# KiCad board mainboard.kicad_pcb (continued)
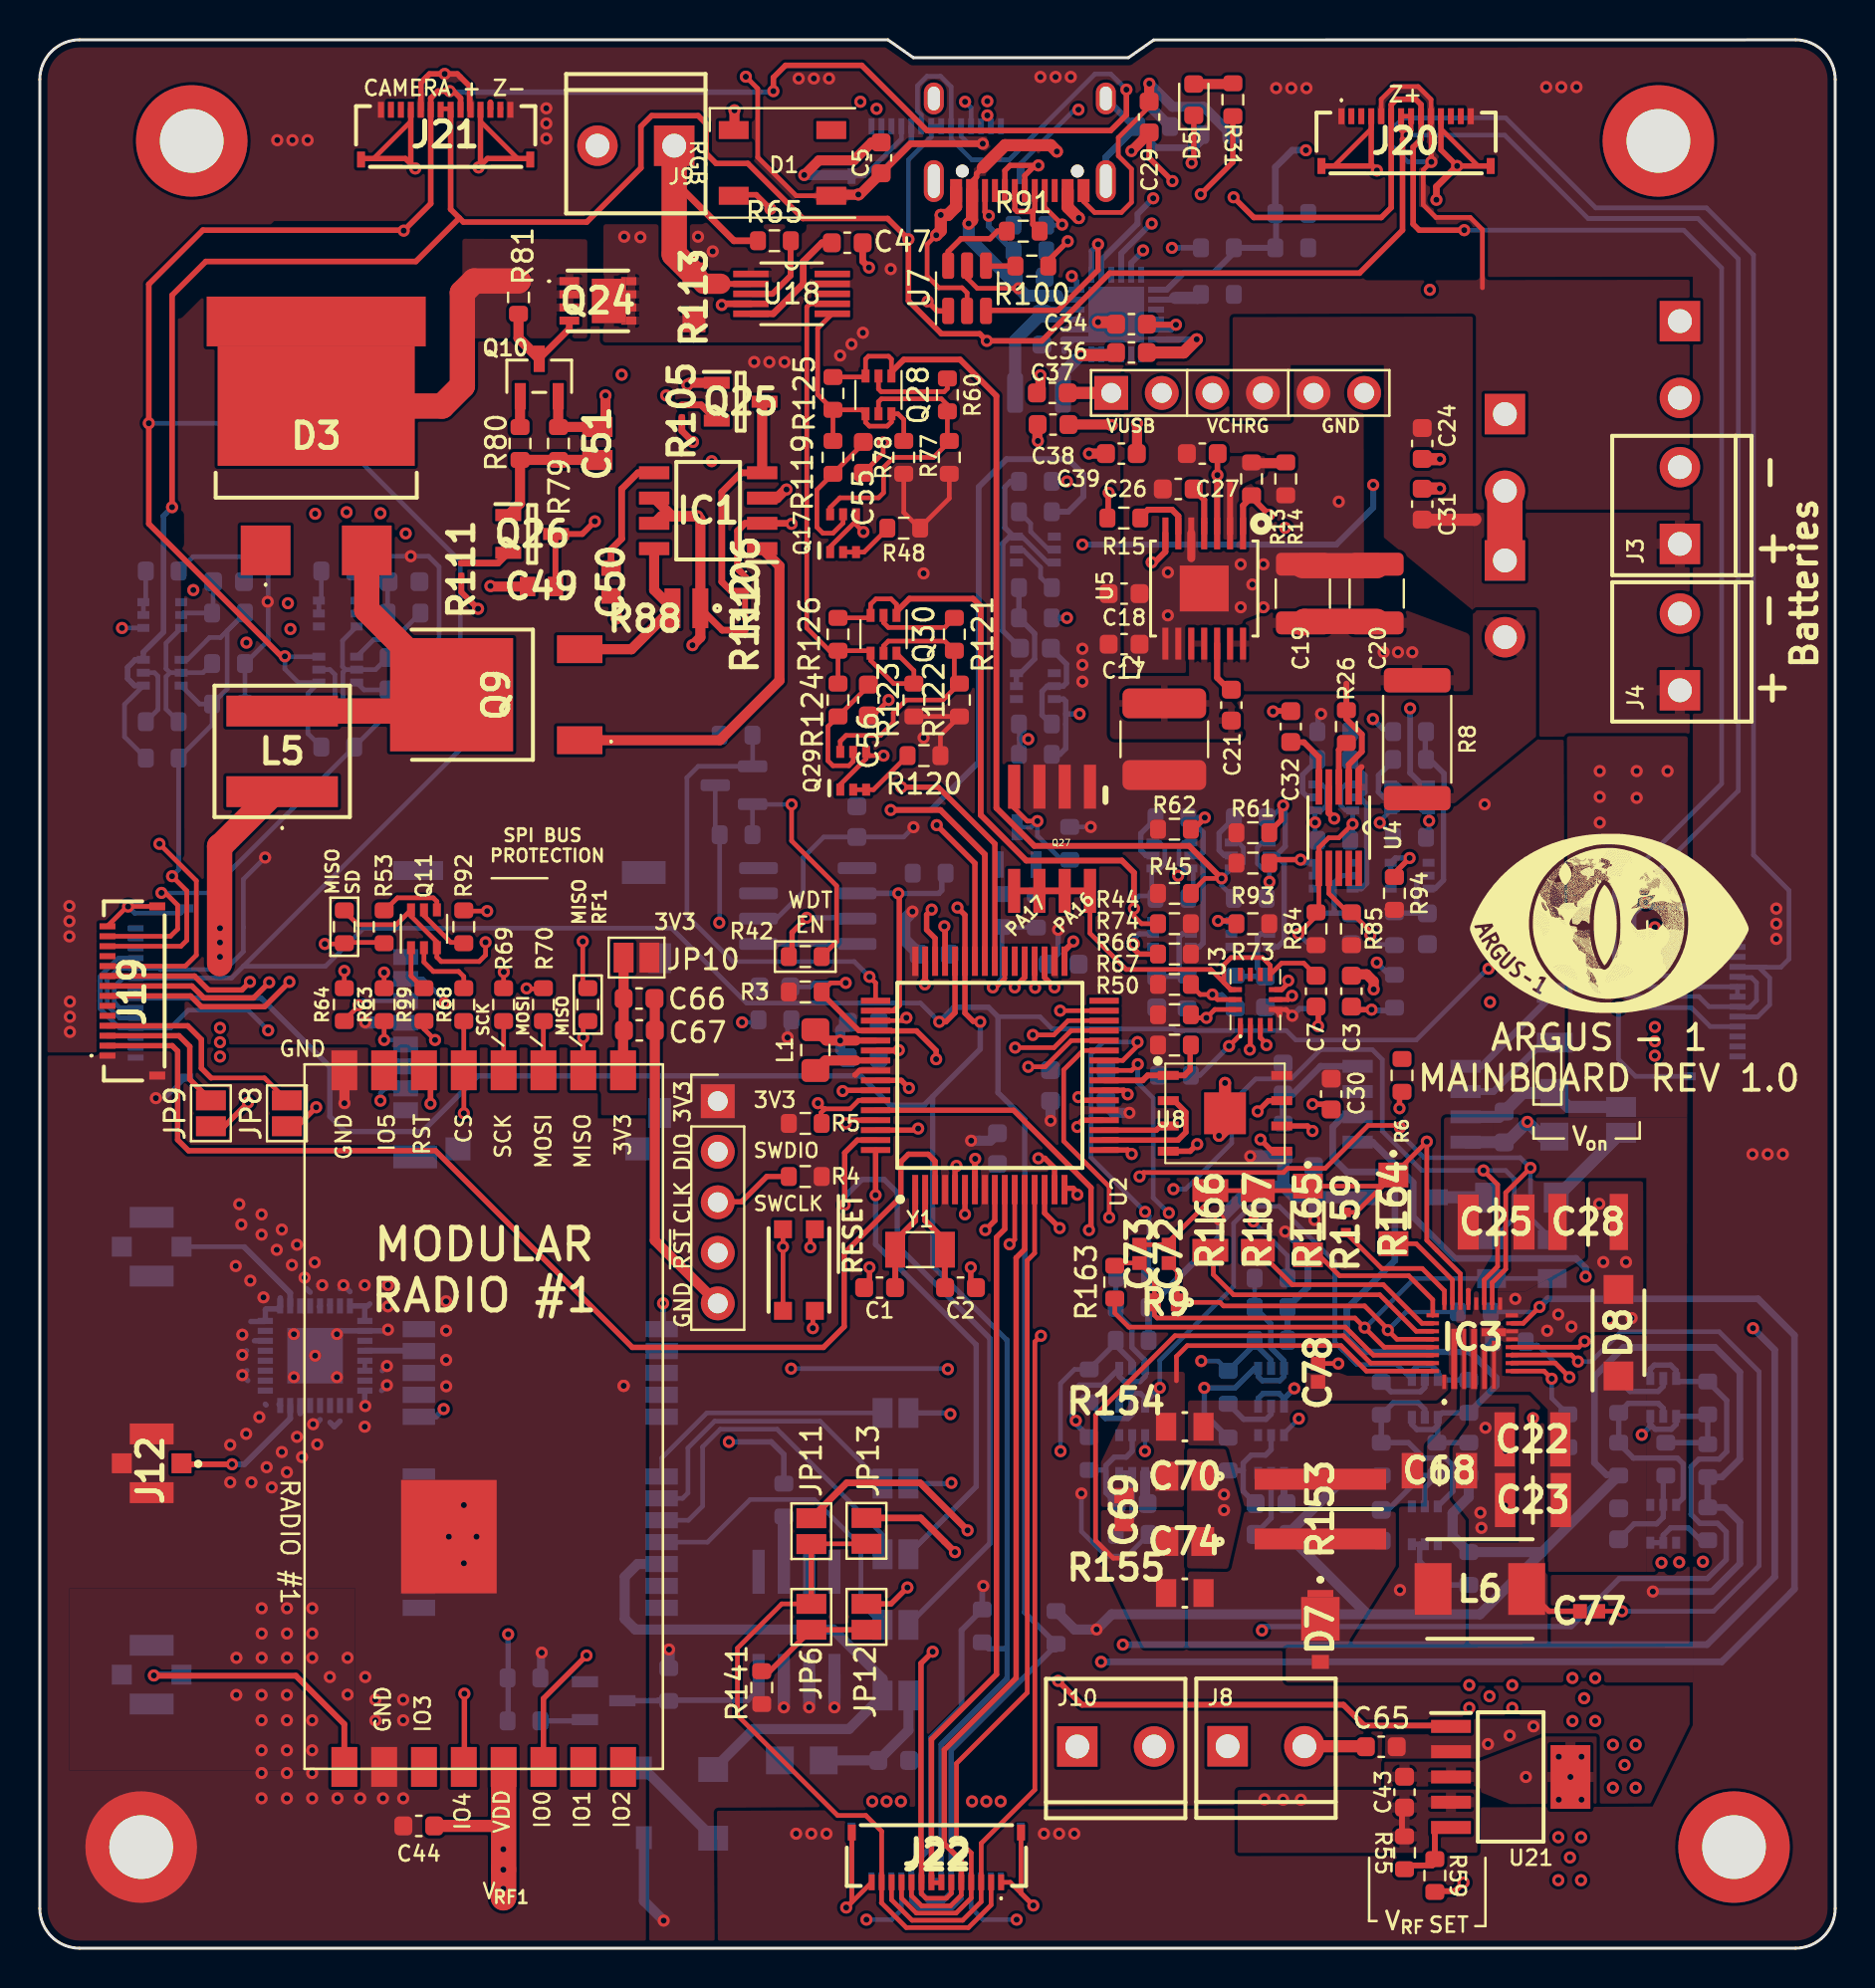
[diagram p0: board, top side]
## Routing (per net, layer and track width the routed paths; a pad name or vN(x,y) marks a point on that pad's centre or on a via; arc(x,y) is an arc through that point) (continued)
  Top w0.272: v1(43.57,18.12) 42.75,17.3 41.49,17.3 ; v1(51.22,36.18) 50.46,36.94 U2.14
  Route15 w0.235: v1(6.01,55.49) 5.43,54.91 5.43,46.11 11.19,40.35 13.17,40.35 14.39,39.13 17.67,39.13 27.67,29.12 v1(37.73,29.12) ; 45.69,29.11 45.68,29.1 v1(45.61,29.1)
  Route15 w0.272: v1(51.22,36.18) 51.22,34.63 43.57,26.99 v1(43.57,18.12)
  Bottom w0.235: v1(45.61,29.1) 45.58,29.12 v1(37.73,29.12)
AVL: length 19.9
  Top w0.235: IC3.26 69.96,30.59 68.16,30.59 v1(67.7,31.05) 67.7,31.1 66.54,32.27 59.45,32.27 59.27,32.45 R9.1 57.13,34 C72.1 56.52,34.24
  Bottom w0.235: R160.2 68.62,31.97 v1(67.7,31.05)
BAT_THERM: length 34.6
  Top w0.235: 42.28,3.29 42.28,2.28 42.27,2.28 43.51,1.04 46.64,1.04 47.78,2.17 47.78,3.29 ; J22.13 42.28,5.87 41.49,6.67 40.07,6.67 35.04,11.7 35.04,15.07 37.26,17.3 JP6.1 ; JP13.2 38.76,20.32 JP11.2
  Top w0.272: JP6.1 JP11.2
BST2: length 32.8
  Top w0.235: IC3.9 73.94,29.81 76.92,29.81 v1(77.25,29.48) ; v1(79.46,16.93) C77.1
  Bottom w0.235: v1(79.46,16.93) 84.06,16.93 86.35,19.22 86.35,28.97 84.34,30.98 79.41,30.98 77.91,29.48 v1(77.25,29.48)
BURN_RELAY_A: length 36.8
  Top w0.235: 44.78,3.29 45.28,3.29
  Top w0.272: U2.10 48.46,36.13 48.05,35.72 48.05,13.76 44.78,10.49 J22.8
CSINN: length 14.8
  Top w0.235: IC3.30 66.62,29 65.35,30.27 57.63,30.27 57.09,29.73 57.09,28.51
CSINP: length 27
  Top w0.235: IC3.29 66.84,29.4 65.47,30.77 57.01,30.77 53.02,26.78 53.02,20.49 53.91,19.6 54.19,19.6
DAC0: length 59.2
  Top w0.272: J19.2 6.65,45.34 6.92,45.07 6.92,40.62 7.47,40.07 19.88,40.07 29.76,30.19 39.36,30.19 40.4,31.23 40.4,34.91 43.24,37.75 43.24,39.51 43.62,39.89 44.62,39.89 44.96,39.54 U2.3
DBus+: length 4.1
  Top w0.272: 49.87,87.26 49.09,87.26 48.97,87.38 J13.A7 ; 49.87,87.26 49.97,87.36 J13.B7 ; 49.87,87.26 49.87,86.61 R91.2
DBus-: length 11.1
  Top w0.272: J13.A6 49.47,89.06 49.98,89.57 v1(50.15,89.57) 48.73,89.57 48.47,89.31 J13.B6 ; R100.1 50.65,84.78 v1(51.63,85.76)
  Route15 w0.272: v1(51.63,85.76) 50.58,85.76 50.15,86.19 v1(50.15,89.57)
DISQBAT: length 6.1
  Top w0.235: v1(76.82,28.69) 76.11,29.4 73.94,29.4 IC3.8
  Bottom w0.235: v1(76.82,28.69) 75.2,30.31 74.78,30.31 R162.1
ENAB_BURN1: length 53.7
  Top w0.235: 44.28,3.29 44.28,2.74 44.51,2.51 45.53,2.51 45.78,2.75 45.78,3.29
  Top w0.272: v1(44.84,14.9) 44.26,14.31 44.26,5.26 44.28,5.24 J22.9 ; U2.60 48.91,42.1 52.79,38.21 52.79,36.18 v1(52.69,36.08)
  Route15 w0.272: v1(44.84,14.9) 44.84,27.04 52.69,34.89 v1(52.69,36.08)
ENAB_BURN2: length 41
  Top w0.235: 46.28,3.29 46.28,2.66 45.74,2.13 44.29,2.13 43.78,2.64 43.78,3.29
  Top w0.272: J22.5 46.28,4.39 45.43,5.25 45.43,9.97 49.03,13.58 49.03,34.69 49.46,35.12 U2.12
ENAB_BURN3: length 42.4
  Top w0.235: 43.28,3.29 43.28,2.51 44.02,1.77 46.02,1.77 46.78,2.52 46.78,3.29 ; J22.4 46.78,4.78 46.04,5.52 46.04,9.28 49.59,12.84 49.59,34.55 49.96,34.92 U2.13
ENAB_BURN4: length 54
  Top w0.235: J22.3 47.28,5.27 49.97,7.96 49.97,30.47 v1(50.28,30.77) ; 42.78,3.29 42.78,2.43 43.81,1.4 46.35,1.4 47.28,2.33 47.28,3.29 ; v1(53.71,36.72) 53.71,38.27 51.42,40.55 51.42,44.13 52.39,45.1 U2.27
  Route15 w0.235: v1(50.28,30.77) 53.71,34.2 v1(53.71,36.72)
ENAB_GPS: length 42.5
  Top w0.272: 42.04,41.1 44.03,41.1 v1(44.11,41.18)
  Route15 w0.272: v1(44.11,41.18) 44.67,40.63 44.67,34.07 28.41,17.82 25.57,17.82 v1(23.52,15.77)
  Bottom w0.272: v1(23.52,15.77) 23.52,11.47
ENAB_IMU: length 6.6
  Top w0.235: U2.39 48.46,48.72 48.02,48.27 v1(47.86,48.27)
  Bottom w0.235: R115.1 48.35,51.28 R114.1 48.32,48.73 v1(47.86,48.27)
ENAB_JET: length 51.9
  Top w0.272: v1(43.27,58.33) 45.12,58.33 47.97,55.49 47.97,49.6 U2.40
  Top w0.293: v1(22.01,67.3) 21.17,68.14 R111.1
  Top w0.338: v1(32.8,75.68) 32.25,76.24 R105.1
  Route15 w0.338: 33.79,64.4 24.9,64.4 v1(22.01,67.3) ; 33.79,64.4 39.87,58.33 v1(43.27,58.33) ; 33.79,64.4 33.79,73.69 32.8,74.68 v1(32.8,75.68)
ENAB_RF: length 72.9
  Top w0.272: U2.9 47.96,36.56 v1(47.49,36.08)
  Top w0.293: U21.1 70.83,11.19 66.51,11.19 65.47,12.23 52.34,12.23 v1(51.14,13.43)
  Route15 w0.272: v1(47.49,36.08) 47.49,32.63 32.93,18.07 32.93,12.15 34.45,10.63 45.97,10.63 48.77,13.43 v1(51.14,13.43)
FLASH_CS: length 5.5
  Top w0.272: 57.77,44.13 57.77,45.12
  Top w0.293: 57.77,44.13 57.49,43.85 U8.1 55.64,43.85 55.39,43.6 U2.24
FLASH_IO2: length 3.4
  Top w0.272: 53.38,41.1 56.08,41.1 56.29,41.31 U8.3
FLASH_IO3: length 12.3
  Top w0.272: v1(61.16,42.04) 61.7,42.58 62.37,42.58
  Top w0.279: 53.38,41.6 52.37,41.6 52.11,41.34 v1(52.11,41.26)
  Route15 w0.279: v1(61.16,42.04) 60.6,41.48 57.46,41.48 57.24,41.26 v1(52.11,41.26)
FLASH_MISO: length 6.5
  Top w0.279: U8.2 56.97,42.58 57.56,42 57.56,41 57.16,40.6 53.38,40.6
FLASH_MOSI: length 9.8
  Top w0.272: v1(54.84,39.9) 54.64,40.1 53.38,40.1 ; v1(61.31,40.63) 61.89,40.04 62.37,40.04
  Route15 w0.279: v1(54.84,39.9) 55.03,39.71 59.32,39.71 60.24,40.63 v1(61.31,40.63)
FLASH_SCK: length 13
  Top w0.272: v1(63.92,41.06) 63.67,41.31 62.37,41.31
  Top w0.279: 53.38,43.1 54.43,43.1 v1(54.64,42.9)
  Route15 w0.279: v1(54.64,42.9) 54.72,42.81 59.8,42.81 59.81,42.83 62.15,42.83 v1(63.92,41.06)
GPS_PWR_IN: length 3.2
  Bottom w0.61: 37.37,21.76 37.37,18.55
IMU_PWR_IN: length 21.7
  Top w0.235: U3.12 59.82,48.16 ; 59.82,48.16 59.46,48.52 59.46,49.41 59.83,49.77 61.4,49.77 61.8,49.38 U3.8 62.37,49.49 63.48,49.49 64.1,48.87 ; 59.82,48.16 58.81,49.17 54.56,49.17 52.74,50.99 Q27.8
  Top w0.338: Q27.5 Q27.6 Q27.7 Q27.8
INLIM: length 4.9
  Top w0.235: IC3.21 70.94,33.58 69.12,35.4 R164.2
INOKB: length 49.1
  Top w0.235: v1(72.5,39.08) 73.22,38.37 73.22,34.25 72.54,33.58 IC3.17 ; 48.7,35.34 v1(48.7,35.37) 48.73,35.37 48.96,35.6 U2.11
  Route15 w0.235: v1(56.93,38.14) 56.43,37.63 53.72,37.63 53.18,37.09 50.43,37.09 v1(48.7,35.37)
  Bottom w0.235: R157.1 72.96,35.6 74.05,36.69 74.05,38.65 73.62,39.08 v1(72.5,39.08) 69.41,39.08 67.42,41.06 67.42,44.65 66.93,45.14 64.32,45.14 62.85,43.67 61.06,43.67 59.86,42.47 59.86,40.45 57.54,38.14 v1(56.93,38.14)
ISET: length 7.5
  Top w0.235: 64.2,34.86 65.27,33.79 68.75,33.79 69.96,32.58 IC3.23
ITO: length 13.4
  Top w0.235: 58.94,35.09 58.94,33.85 59.96,32.83 67.3,32.83 69.13,31 IC3.25
JETSON_PWR: length 17
  Top w0.293: 34.3,83.63 34.31,83.62 U18.2
  Top w0.338: R65.1 34.86,85.79 31.86,88.79 J9.1
  Top w1.016: 34.19,83.63 33.34,83.63 R113.1
  Top w1.27: R113.1 31.86,85.11 J9.1
JETSON_PWR_SENSE: length 4.8
  Route15 w0.61: v1(29.35,85.99) v1(33.06,85.99) v1(33.79,85.26)
  vias: v1(30.16,85.97)
JETSON_RX: length 55.5
  Top w0.272: v1(12.53,48.55) 11.29,47.31 8.11,47.31 7.57,47.84 J19.7 ; v1(48.96,48.27) 49.46,48.77 U2.37
  Route15 w0.272: v1(48.96,48.27) 47.59,49.64 43.04,49.64 37.66,55.03 15.22,55.03 12.53,52.34 v1(12.53,48.55)
JETSON_TX: length 58.9
  Top w0.272: J19.9 7.77,48.84 8.47,48.15 10.15,48.15 v1(10.55,48.55) ; U2.35 50.46,48.77 v1(50.96,48.27)
  Route15 w0.272: v1(10.55,48.55) 10.58,48.58 10.58,53.02 14.14,56.58 38.11,56.58 44.13,50.56 48.68,50.56 v1(50.96,48.27)
JETSON_XCK: length 57
  Top w0.272: v1(49.99,48.26) 49.96,48.28 U2.36 ; J19.8 7.64,48.34 8.23,47.75 10.74,47.75 v1(11.52,48.53)
  Route15 w0.272: v1(49.99,48.26) 48.14,50.1 43.6,50.1 37.88,55.82 14.8,55.82 11.52,52.54 v1(11.52,48.53)
LX1: length 13.7
  Top w0.235: v1(65.21,29.38) 65.21,29.38 C78.2
  Route15 w0.235: v1(68.31,18) 68.31,26.28 v1(65.21,29.38)
LX2: length 3.1
  Top w0.272: C77.2 75.79,16.93 L6.1
MISO: length 45
  Top w0.235: v1(51.24,47.1) 51.25,47.1 53.38,47.1 ; 15.29,52.11 15.97,51.43 17.9,51.43 Q11.6 18.64,51.85 19.94,50.55 Q11.3 19.94,49.8 20.16,49.57 22.06,49.57 22.39,49.9 v1(22.39,50.54) ; v1(27.27,50.58) 27.27,50.58 27.27,48.2
  Route15 w0.235: v1(51.24,47.1) 47.66,47.1 47.36,47.41 36.03,47.41 32.85,50.58 v1(27.27,50.58) 27.23,50.54 v1(22.39,50.54)
MISO_RF1: length 11.3
  Top w0.235: U23.10 v1(27.29,45.76) 27.29,46.39 27.52,46.62 ; 19.29,46.62 19.29,46.19 v1(19.85,45.63)
  Route15 w0.235: v1(27.29,45.76) 19.98,45.76 v1(19.85,45.63)
MISO_SD: length 13.8
  Top w0.235: 17.29,50.53 15.29,50.53 15.22,50.46 v1(14.31,50.46)
  Route15 w0.235: v1(14.31,50.46) 14.31,45.38 v1(17.11,42.58)
  Bottom w0.235: v1(17.11,42.58) 17.11,42.96 17.34,43.2 J1.7
MOSI: length 44.4
  Top w0.235: 53.38,46.1 51.79,46.1 50.94,45.25 48.99,45.25 v1(48.98,45.25) ; v1(24.45,48.22) 24.47,48.2 25.29,48.2 ; 15.29,48.2 15.29,49.1 v1(15.29,49.1)
  Route15 w0.235: v1(48.98,45.25) 48.71,45.52 44.68,45.52 43.52,44.36 31.71,44.36 27.85,48.22 v1(24.45,48.22) 22.52,46.29 18.1,46.29 v1(15.29,49.1)
MOSI_RF1: length 2.5
  Top w0.235: 25.29,46.62 U23.11
MOSI_SD: length 3.5
  Top w0.235: 15.29,46.62 16.01,47.34 v1(16.01,47.38)
  Bottom w0.235: v1(16.01,47.38) 16.23,47.6 J1.3
OTGEN: length 4.3
  Top w0.235: IC3.7 75.55,29 v1(75.93,28.61)
  Bottom w0.235: v1(75.93,28.61) 75.93,27.63 R161.1
PVL: length 29.5
  Top w0.235: C73.1 55.98,33.68 R9.2 55.98,31.8 56.12,31.66 66.05,31.66 v1(66.54,31.18) 67.52,30.2 IC3.27 ; C73.1 54.13,34.43 R163.2 ; C73.1 55.12,34.32
  Bottom w0.235: R158.2 R157.2 69.03,33.65 66.56,31.18 v1(66.54,31.18)
RF1_CS: length 27.2
  Top w0.235: 39.43,42.17 39.23,41.97 39.23,41.44 ; 39.43,42.17 39.42,42.16 39.37,42.16 v1(39.08,42.46) ; 39.43,42.17 40.7,42.17 41.11,42.58 41.13,42.58 41.15,42.6 42.04,42.6 ; v1(21.3,41.95) 21.3,44 21.35,44.05 ; U23.13 21.29,46.62
  Route15 w0.235: v1(21.3,41.95) 21.93,41.31 37.52,41.31 38.66,42.46 v1(39.08,42.46)
RF1_IO0: length 37.9
  Top w0.272: v1(27.46,14.71) 25.29,12.54 U23.6 ; v1(46.46,36.87) 46.46,38.18
  Route15 w0.272: v1(46.46,36.87) 45.94,36.35 45.94,33.16 27.48,14.71 v1(27.46,14.71)
RF1_IO4: length 43.5
  Top w0.272: v1(46.04,39.31) 45.96,39.23 45.96,38.18 ; v1(21.32,12.79) 21.32,9.14 U23.4
  Route15 w0.272: v1(21.32,12.79) 22.05,12.79 25.58,16.32 28.03,16.32 45.35,33.64 45.35,38.62 v1(46.04,39.31)
RF1_RST: length 26.9
  Top w0.272: 42.04,41.6 40.64,41.6 v1(40.47,41.44)
  Top w0.279: v1(19.62,42.43) 19.62,43.5 19.29,43.83
  Route15 w0.279: v1(40.47,41.44) 37.81,38.77 22.84,38.77 19.62,41.99 v1(19.62,42.43)
RX: length 66.2
  Top w0.272: v1(10.45,42.48) 9.27,41.3 JP9.1 ; U2.64 v1(41.98,37.84)
  Route15 w0.272: v1(10.45,42.48) 11.67,41.26 13.75,41.26 14.77,40.25 18.3,40.25 27.01,31.53 33.24,31.53 33.56,31.21 37.31,31.21 41.98,35.88 v1(41.98,37.84)
  Bottom w0.272: JP3.1 47.03,23.2 47.03,30.31 41.98,35.37 v1(41.98,37.84)
SCK: length 42
  Top w0.235: v1(17.29,49.02) 17.29,49.02 17.29,48.2 ; 53.38,46.6 51.65,46.6 50.93,45.89 v1(49.87,45.89) ; 23.29,48.2 23.29,49.04 v1(23.3,49.05)
  Route15 w0.235: v1(17.29,49.02) 19.47,46.85 21.09,46.85 23.3,49.05 v1(23.3,49.05) 29.05,49.05 33.24,44.87 41.24,44.87 42.26,45.89 49.25,45.89 49.25,45.89 v1(49.87,45.89)
SCK_RF1: length 2.5
  Top w0.235: 23.29,46.62 U23.12
SCK_SD: length 2.2
  Top w0.235: 17.29,46.62 v1(17.29,45.63)
  Bottom w0.235: J1.5 18.14,45.63 v1(17.29,45.63)
SCL: length 135.3
  Top w0.235: R125.2 41.42,78.94 Q28.3 41.47,79.84 41.61,79.99 42.63,79.99 42.77,79.84 Q28.1 42.77,79.19 ; v1(55.13,45.53) 55.13,45.34 54.39,44.6 53.38,44.6 ; v1(59.35,53.75) 58.52,53.75 57.77,53
  Top w0.293: v1(59.35,53.75) 57.72,55.38 49.95,55.38 48.04,57.29 48.04,77.99 46.22,79.82 43.4,79.82 42.77,79.19
  Route15 w0.235: v1(56.25,28.16) 54.88,29.53 54.88,36.36 v1(55.51,37) ; v1(55.13,45.53) 53.94,46.72 53.94,53.45 55.87,55.38 57.72,55.38 v1(59.35,53.75) 59.35,53.76 61.06,55.48 62.97,55.48 v1(64.05,56.56)
  Bottom w0.235: R149.2 55.71,36.79 55.71,36.79 v1(55.51,37) 52.79,39.71 52.79,42.49 52.8,42.5 52.8,43.03 52.79,43.03 52.79,44.92 53.4,45.53 v1(55.13,45.53) ; Q15.3 64.38,58.47 64.63,58.23 64.63,57.42 64.38,57.17 64.04,57.17 64.04,56.57 v1(64.05,56.56) 64.05,55.81 64.2,55.66 ; 60.01,52.74 59.35,53.4 v1(59.35,53.75) 59.84,54.24 Q7.1 60.19,54.25 60.44,54.5 60.44,55.31 60.19,55.55 Q7.3 ; v1(56.25,28.16) 56.25,29.53 59.96,33.24 59.96,36.42 60.81,37.27 62.24,37.27 65.04,34.48 65.04,30.44 65.47,30.01 65.48,30.01 65.85,29.64 65.85,29.63 66.15,29.32 68.16,29.32 Q5.1
  Bottom w0.272: R117.2 70.23,28.55 Q5.3 70.21,28.97 69.88,29.3 69.23,29.3 68.91,28.97 Q5.1 ; Q32.3 54.21,27.63 54.46,27.87 55.27,27.87 55.51,27.63 Q32.1 55.51,27.42 v1(56.25,28.16)
SCL2: length 448.7
  Top w0.272: U2.44 45.96,47.01 45.5,46.55 v1(45.17,46.55)
  Top w0.279: v1(12.31,64.91) 12.13,64.91 5.47,71.56 5.47,83.6 8.19,86.32 18.3,86.32 19.63,87.65 J21.6 19.63,92.95 19.99,93.31 v1(20.59,93.31) 20.78,93.31 21.13,92.95 J21.9 ; v1(71.54,86.32) 69.28,86.32 68.97,86.63 68.97,90.49 69.37,90.89 J20.9 69.37,92.63 69.1,92.9 68.14,92.9 67.87,92.63 J20.6 67.87,87.45 67.37,86.96 60.97,86.96 v1(59.96,87.97) ; v1(54.57,93.38) 54.57,92.11 53.78,91.33 44.56,91.33 41.28,94.6 37.45,94.6 36.84,93.99 v1(36.84,93.31)
  Route15 w0.235: v1(79.41,53.45) 77,53.45 v1(72.76,49.21)
  Route15 w0.279: v1(59.96,87.97) 59.96,89.12 58.71,90.36 56.27,90.36 55.31,89.4 55.31,88.82 52.39,85.9 52.39,85.31 51.8,84.72 45.07,84.72 44.31,85.48 44.31,86.8 42.05,89.07 40.58,89.07 39.74,88.23 36.26,88.23 34.84,86.8 18.81,86.8 18.28,86.27 v1(18.28,86.3) 18.3,86.3
  Route15 w0.338: v1(71.54,86.32) 71.54,87.69 70.65,88.58 64.1,88.58 58.31,94.37 55.44,94.37 54.57,93.51 v1(54.57,93.38)
  Bottom w0.235: 10.22,49.34 14.35,49.34 16.25,51.24 31.74,51.24 35.5,47.49 44.23,47.49 v1(45.17,46.55) ; 10.22,49.34 9.63,48.74 J5.6 4.18,48.74 3.75,48.31 3.75,47.51 4.01,47.24 J5.9 ; 10.22,49.34 21.12,60.24 21.12,69.68 14.19,76.62 v1(5.47,76.62) ; Q35.3 12.32,64.89 v1(12.31,64.91) 12.31,64.27 12.99,63.59 Q35.1 13.46,63.04 13.46,61.03 R151.2 ; 85.27,48.77 85.97,48.77 86.22,48.51 86.22,47.62 85.86,47.27 85.27,47.27 ; v1(54.57,93.38) 53.78,94.17 53,94.17 48.68,89.85 46.82,89.85 45.77,90.9 J15.6 45.77,93.52 45.24,94.05 44.56,94.05 44.08,93.58 44.08,92.3 44.27,92.11 J15.9 ; 48.12,46.8 50.23,46.8 50.84,46.19 56.96,46.19 57.04,46.11 62.61,46.11 63.08,45.63 69.13,45.63 72.71,49.21 v1(72.76,49.21) 72.76,49.26 ; J6.6 83.83,47.31 83.32,47.82 79.69,47.82 79.08,48.43 79.08,53.12 v1(79.41,53.45) 84.47,58.51 84.47,84.42 82.56,86.32 v1(71.54,86.32)
  Bottom w0.272: R56.2 49.47,16.87 49.47,41.64 48.12,42.99 48.12,46.8 47.65,47.27 45.9,47.27 v1(45.17,46.55) ; J23.6 44.27,2.74 44.61,2.4 45.38,2.4 45.77,2.8 J23.9 45.77,9.96 50.81,15 51.04,15
  Bottom w0.279: v1(36.84,93.31) 36.79,93.26 20.64,93.26 v1(20.59,93.31)
SCL2_JETSON: length 31.3
  Top w0.235: J19.13 6.56,50.84 6.92,51.21 6.92,52.41 6.31,53.02 v1(6.11,53.02)
  Bottom w0.235: 17.79,65.75 18.09,65.75 18.3,65.54 18.3,64.06 R142.2 ; 17.79,65.75 R143.1 ; 17.79,65.75 17.78,65.75 16.77,65.75 Q35.4 ; R142.2 17.47,62.03 R151.1 8.46,53.02 v1(6.11,53.02) ; R142.2 16.28,63.22 Q35.6
SCL_GPS: length 22.8
  Route15 w0.272: v1(45.78,23.38) 48.91,26.5 v1(52.03,26.5)
  Bottom w0.272: R130.1 52.03,26.35 v1(52.03,26.5) 51.88,26.5 51.84,26.54 51.84,27.92 52.22,28.29 53.38,28.29 Q32.4 54.21,28.73 54.47,28.47 55.26,28.47 55.51,28.73 Q32.6 55.51,29.52 54.85,30.19 54.85,31.13 54.04,31.94 R129.2 54.04,33.69 R149.1 ; v1(45.78,23.38) 45.75,23.34 JP2.1
SCL_IMU: length 14.6
  Top w0.235: 57.77,48.43 58.28,47.92 v1(58.89,47.92) 59.14,47.66 U3.13
  Route15 w0.235: v1(58.89,47.92) 58.89,49.62 61.76,52.48 v1(61.76,53.58)
  Bottom w0.235: 60.03,47.26 59.37,47.92 v1(58.89,47.92) ; Q7.4 61.4,55.55 61.15,55.31 61.15,54.5 61.4,54.25 Q7.6 61.76,54.24 v1(61.76,53.58) 61.76,52.92 61.58,52.74
SCL_JETSON_PWR: length 12.8
  Top w0.235: R125.1 41.27,77.29 Q28.4 41.47,76.67 41.66,76.47 42.56,76.47 42.77,76.68 Q28.6 43.1,77.09 43.39,76.8 R78.2 ; R125.1 R119.1 ; R125.1 39.06,78.06 39.06,81.38 U18.6
SCL_PWR: length 55.9
  Top w0.235: U4.6 64.24,55.3 64.73,55.79 65.24,55.79 v1(65.93,56.48) ; v1(63.21,50.97) 64.1,51.85 64.1,52.01 64.24,52.15 64.24,53.99
  Route15 w0.272: v1(55.41,85.31) 55.38,85.31 54.29,84.21 53.86,84.21 50.86,81.22 50.86,79.35 50.91,79.3 50.91,75.38 51.93,74.36 53.45,74.36 53.77,74.67 60.79,74.67 63.69,71.76 63.69,59.52 65.93,57.28 v1(65.93,56.48)
  Bottom w0.235: v1(63.21,50.97) 63.74,50.43 64.1,50.43 ; 65.77,55.66 65.93,55.82 v1(65.93,56.48) 65.94,56.49 65.94,57.17 65.59,57.17 65.34,57.42 65.34,58.23 65.59,58.47 Q15.4
  Bottom w0.293: U17.5 54.81,84.68 55.41,85.27 v1(55.41,85.31)
SCL_RTC: length 32.8
  Bottom w0.272: R117.1 70.43,26.9 Q5.4 ; Q5.4 70.21,25.44 R33.1 R32.2 ; Q5.4 70.21,26.27 70,26.06 69.16,26.06 68.91,26.32 Q5.6
  Bottom w0.338: R117.1 73.14,28.27 73.14,28.66 71.84,29.96 66.33,29.96 65.65,30.65 65.65,32.14 68.06,34.56 68.06,38.27 67.32,39 65.65,39 64.94,39.71 64.94,41.26 65.44,41.77 IC2.6
SD_CS: length 37.3
  Top w0.235: v1(43.52,46.75) 43.38,46.6 42.04,46.6 ; v1(22.47,52.11) 21.29,52.11
  Route15 w0.235: v1(22.47,52.11) 22.44,52.11 20.31,49.97 v1(20.31,47.49) 22.64,49.82 31.97,49.82 v1(35.27,46.52) 43.29,46.52 v1(43.52,46.75)
  Bottom w0.235: v1(20.31,47.49) 20.31,47.62 19.23,48.7 J1.2 ; v1(35.27,46.52) 36,46.52 36.13,46.65
SDA: length 158.9
  Top w0.235: v1(54.95,52.24) 54.95,51.85 55.33,51.47 56.2,51.47 ; 53.38,44.1 54.83,44.1 v1(55.14,44.42) ; 43.02,67.15 Q30.1 43.02,67.53 42.76,67.79 41.99,67.79 41.72,67.53 Q30.3 41.6,66.84 R126.2
  Top w0.293: 43.02,67.15 43.68,67.81 46.88,67.81 47.26,67.42 47.26,56.93 49.54,54.65 54.34,54.65 54.95,54.04 v1(54.95,52.24)
  Route15 w0.235: v1(60.95,36.51) 60.19,35.75 57.9,35.75 v1(56.71,36.94) 56.65,36.89 56.65,29.5 57.34,28.82 62.32,28.82 v1(63,28.13) 61.25,26.38 61.25,16.09 v1(61.38,15.96) ; v1(55.14,44.42) 56.73,46 56.73,50.46 v1(54.95,52.24) 54.95,53.35 56.38,54.78 57.36,54.78 59.21,52.92 59.7,52.92 61.25,54.47 62.22,54.47 62.95,53.73 66.32,53.73 67.3,54.71 v1(67.3,56.55)
  Bottom w0.235: v1(55.14,44.42) 55.14,43.48 55.92,42.71 55.92,37.71 56.68,36.94 v1(56.71,36.94) ; 68.01,55.84 v1(67.3,56.55) 67.3,56.62 67.85,57.17 68.19,57.17 68.44,57.42 68.44,58.23 68.19,58.47 Q16.3 ; Q8.3 56.26,55.55 56.5,55.31 56.5,54.5 56.26,54.25 Q8.1 ; v1(60.95,36.51) 62.66,34.8 R150.2 ; 55.84,54.27 55.84,53.1 56.07,52.87 55.21,52.87 54.95,52.62 v1(54.95,52.24)
  Bottom w0.272: Q20.1 80.88,29.09 81.09,29.3 81.91,29.3 82.18,29.02 Q20.3 82.33,28.47 R118.2 84.72,27.52 84.72,24.96 84.34,24.57 83.32,24.57 82.94,24.19 82.94,21.79 83.38,21.35 84.26,21.35 84.7,20.92 84.7,19.52 83.75,18.58 79.33,18.58 76.92,16.16 61.26,16.16 ; Q34.1 62.5,27.23 ; Q34.1 62.49,27.61 v1(63,28.13) ; Q34.1 62.49,27.63 62.25,27.87 61.43,27.87 61.19,27.63 Q34.3
SDA2: length 317.9
  Top w0.235: 20.63,92.42 20.13,92.42 ; J20.7 J20.8 68.87,91.32 v1(68.64,91.1)
  Top w0.272: v1(46.09,52.29) 46.46,51.91 U2.43 46.46,46.98 46.88,46.57 47.21,46.57
  Top w0.279: J20.7 68.37,91.37 v1(68.64,91.1) 68.44,90.89 68.44,86.32 66.28,84.16 53.73,84.16 50.33,80.76 v1(47.56,80.76) 47.21,81.11 45.28,81.11 43.62,82.77 v1(43.62,85.86) 42.58,86.91 38.33,86.91 35.56,89.67 33.96,89.67 33.46,90.17 33.46,91.67 33.06,92.07 30.73,92.07 30.19,91.53 30.19,89.45 27.47,86.73 21.27,86.73 21.07,86.93 ; 21.07,86.93 18.88,84.75 8.34,84.75 6.64,83.05 v1(6.64,72.4) ; 21.07,86.93 20.63,87.37 J21.8
  Route15 w0.279: v1(46.09,52.29) 47.56,53.76 v1(47.56,80.76)
  Bottom w0.235: J6.7 J6.8 80.04,48.31 79.54,48.81 79.54,52.39 85.31,58.15 85.31,84.87 83.27,86.91 77.76,86.91 73.57,91.1 v1(68.64,91.1) ; J5.7 J5.8 ; R152.2 4.25,60.86 4.25,62.49 Q37.1 ; J23.7 J23.8 ; v1(43.62,85.86) 43.62,89.86 44.77,91 J15.8 J15.7
  Bottom w0.272: J5.8 11.11,47.74 14.57,44.28 14.57,41.8 15.33,41.03 19.22,41.03 22.01,43.83 41.24,43.83 42.71,42.35 44.41,42.35 44.84,42.79 ; R54.2 47.65,15.05 48.58,15.05 ; 44.84,42.79 47.23,45.17 v1(47.23,46.55) ; 44.84,42.79 44.84,34.28 48.58,30.54 48.58,15.05 ; 48.58,15.05 48.58,13.55 45.27,10.25 J23.8
  Bottom w0.279: Q37.1 4.76,63.44 4.41,63.79 4.41,64.35 4.79,64.74 Q37.3 5.2,65.12 6.21,66.13 6.21,71.97 v1(6.64,72.4)
SDA2_JETSON: length 28.5
  Top w0.235: J19.12 7.09,50.34 7.38,50.63 7.38,53.12 v1(6.64,53.86)
  Bottom w0.235: Q37.4 7.41,64.74 8.52,65.85 9.07,65.85 R148.1 9.41,66.19 9.41,63.27 R147.2 ; Q37.6 8.02,62.51 R147.2 ; v1(6.64,53.86) 6.97,54.19 R152.1 8.65,61.47 R147.2
SDA_GPS: length 29
  Route15 w0.272: v1(45.73,26.84) 46.4,27.5 57.83,27.5 v1(58.48,28.16)
  Bottom w0.235: R150.1 R134.2
  Bottom w0.272: R134.2 61.82,31.39 61.82,30.19 62.49,29.51 Q34.6 62.49,28.73 62.28,28.52 61.4,28.52 61.19,28.73 Q34.4 61.01,29.13 60.03,28.16 v1(58.48,28.16) 58.48,26.85 R135.1 ; JP1.1 45.67,26.89 v1(45.73,26.84)
SDA_IMU: length 16.1
  Top w0.235: U3.14 59.01,47.16 v1(58.59,46.74) 57.93,46.74 57.77,46.9
  Route15 w0.235: v1(57.17,53.89) 57.17,51.84 57.81,51.2 57.81,47.52 v1(58.59,46.74)
  Bottom w0.235: 57.65,52.74 57.93,53.03 57.93,54.13 Q8.6 ; v1(57.17,53.89) 57.53,54.25 Q8.6 ; Q8.6 57.46,54.25 57.21,54.5 57.21,55.31 57.46,55.55 Q8.4 ; v1(58.59,46.74) 58.16,46.74 57.65,47.26 57.62,47.26
SDA_JETSON_PWR: length 27.8
  Top w0.235: R126.1 41.6,65.19 Q30.4 41.72,64.7 42.89,63.54 R123.2 43.9,64.19 Q30.6 ; R126.1 R124.1 ; R126.1 39.66,65.19 38.52,66.33 38.52,82.46 38.68,82.62 U18.7
SDA_PWR: length 63.3
  Top w0.235: v1(66.83,50.9) 66.83,51.08 65.9,52.01 65.72,52.01 64.74,52.99 64.74,53.99
  Route15 w0.235: v1(69.77,56.64) 69.77,53.08 67.59,50.9 v1(66.83,50.9)
  Route15 w0.293: v1(55.84,86.65) 56.17,86.32 56.17,84.9 54.9,83.63 54.12,83.63 51.62,81.13 51.62,77.49 53.91,75.2 61,75.2 64.63,71.56 64.63,63.87 65.6,62.9 68.21,62.9 v1(68.82,62.29)
  Bottom w0.235: 69.61,55.79 69.77,55.96 v1(69.77,56.64) 69.77,57.15 69.75,57.17 69.4,57.17 69.15,57.42 69.15,58.23 69.4,58.47 Q16.4 ; v1(66.83,50.9) 67.3,50.43 67.91,50.43
  Bottom w0.293: U17.4 54.31,85.15 55.81,86.65 v1(55.84,86.65) ; 69.4,58.47 68.82,59.05 v1(68.82,62.29)
SDA_RTC: length 33.2
  Route15 w0.338: v1(80.45,25.79) 80.45,28.87 77.64,31.69 v1(77.64,33.74)
  Bottom w0.272: R58.1 83.69,25.4 R57.2 ; 83.77,25.4 R118.1 83.67,26.72 Q20.4 82.18,26.32 81.94,26.07 81.13,26.07 80.88,26.32 Q20.6 80.88,26.22 v1(80.45,25.79)
  Bottom w0.338: IC2.5 66.94,40.5 68.97,38.47 68.97,36.74 71.06,34.66 77.15,34.66 77.64,34.18 v1(77.64,33.74)
STAT: length 10.7
  Top w0.272: D5.1 57.96,89.81 v1(57.85,89.7)
  Route15 w0.272: v1(55.92,87.92) 55.92,89.07 56.55,89.7 v1(57.85,89.7)
  Bottom w0.3: v1(55.92,87.92) 55.13,87.13 55.13,86.64 53.31,84.83 U17.2
STAT1: length 49.7
  Top w0.235: 68.16,41.34 68.26,41.24 v1(68.31,41.24) 68.21,41.34 66.71,41.34 64.56,39.18 62.67,39.18 62.46,38.97 55.43,38.97 v1(55.23,38.77) ; v1(74.87,39.2) 73.62,37.96 73.62,34.12 72.94,33.44 IC3.16 ; U2.28 51.8,45.6 50.49,44.28 v1(49.64,44.28)
  Route15 w0.235: v1(49.64,44.28) 48.7,43.35 48.7,39.92 49.67,38.95 55.05,38.95 v1(55.23,38.77)
  Bottom w0.235: v1(68.31,41.24) 68.31,40.93 69.53,39.72 74.36,39.72 v1(74.87,39.2) 74.87,36.69 R158.1
STBY: length 17.8
  Top w0.235: IC3.28 66.98,29.8 65.57,31.2 54.7,31.2 53.99,31.92 R163.1 54.18,32.64
SWCLK: length 17.8
  Top w0.272: 42.04,43.6 43.26,43.6 v1(43.65,43.22) ; 34.12,37.48 34.15,37.5 35.24,37.5 36.51,38.77 37.66,38.77
  Route15 w0.272: v1(43.65,43.22) 37.91,37.48 J2.3
SWDIO: length 9.6
  Top w0.272: 42.04,43.1 40.36,43.1 v1(40.32,43.07)
  Route15 w0.272: J2.2 37.79,40.02 40.32,42.55 v1(40.32,43.07)
THM: length 83.7
  Top w0.235: IC3.13 74.5,31.4 v1(75.32,32.22)
  Top w0.338: JP13.1 44.24,21.62 v1(45.96,19.9)
  Route15 w0.338: v1(45.96,19.9) 47.28,19.9 48.43,18.76 48.43,15.58 49.62,14.39 v1(53.3,14.39)
  Bottom w0.235: v1(75.32,32.22) 75.07,31.97 R160.1
  Bottom w0.338: v1(53.3,14.39) 84.47,14.39 88.13,18.05 88.13,30.8 86.3,32.63 75.73,32.63 v1(75.32,32.22)
TS: length 162.9
  Top w0.338: v1(46.6,20.99) 44.21,23.38 40.53,23.38 JP11.1
  Route15 w0.338: 63.61,90.36 68.88,90.36 69.59,91.07 73.95,91.07 79.34,85.69 85.66,85.69 88.3,83.05 88.3,33.41 v1(86.04,31.15) ; v1(46.6,20.99) 47.69,20.99 49.16,19.52 49.16,16.32 50.23,15.25 v1(54.39,15.25)
  Bottom w0.3: 62.09,87.16 62.09,85.43 59.93,85.43 59.93,85.15 58.97,84.19 57.46,84.19 56.6,83.33 U17.7
  Bottom w0.338: v1(63.59,90.34) 62.9,90.34 62.05,89.48 R46.2 ; v1(86.04,31.15) 87.13,30.06 87.13,18.66 83.73,15.25 v1(54.39,15.25)
TX: length 68.1
  Top w0.272: JP8.1 12.93,41.3 v1(13.88,42.25) ; v1(40.42,37.35) 40.42,39.96 41.06,40.6 U2.63
  Route15 w0.272: v1(13.88,42.25) 15.1,41.03 18.96,41.03 26.33,33.67 38.67,33.67 40.42,35.42 v1(40.42,37.35)
  Bottom w0.272: v1(40.42,37.35) 40.42,37.76 41.29,38.62 42.41,38.62 43.07,37.96 43.07,35.29 47.71,30.65 47.71,20.33 JP4.1
USB_CC1: length 2.9
  Top w0.235: v1(51.35,86.6) 50.47,87.48 J13.A5
  Bottom w0.235: v1(51.35,86.6) 51.32,86.58 50.51,86.58
USB_CC2: length 3.7
  Top w0.272: v1(47.66,87.04) 47.47,87.23 J13.B5
  Bottom w0.279: v1(47.66,87.04) 47.66,86.5 48.91,85.26
USB_D+: length 44
  Top w0.272: v1(44.79,52.18) 44.54,51.93 44.54,51.17 44.96,50.74 U2.46 ; v1(44.59,82.74) 45.07,82.26 45.62,82.26
  Route15 w0.272: v1(51.83,84.01) 50.56,82.74 v1(44.59,82.74) 45.7,81.63 45.7,53.09 v1(44.79,52.18)
  Bottom w0.272: v1(51.83,84.01) 52.06,83.78 U17.24
USB_D-: length 49.5
  Top w0.272: v1(53.15,85.61) 53.15,84.32 51.12,82.29 47.55,82.29 U7.3
  Top w0.293: v1(45.43,51.35) 45.46,51.31 45.46,49.52
  Route15 w0.293: v1(53.15,85.61) 53.15,84.24 48.76,79.84 48.76,53.38 46.72,51.35 v1(45.43,51.35)
  Bottom w0.272: U17.1 52.81,85.28 v1(53.15,85.61)
VCELL: length 8.6
  Bottom w0.61: JP7.1 76.77,42.27 C53.1 74.48,42.98 C54.2 73.28,41.77 IC2.3
VCHRG: length 2.7
  Top w0.61: 69.43,71.77 72.07,71.77 72.1,71.79
  vias: v1(75.7,31.03) v1(76.26,31.84) v1(76.92,31.23) v1(78.32,37.4) v1(78.52,34.47) v1(78.83,31.58) v1(79.66,34.47) v1(79.95,31.66)
